# Altium PCB 电磁阀V4.0.PcbDoc (part 2 of 2) (continued)
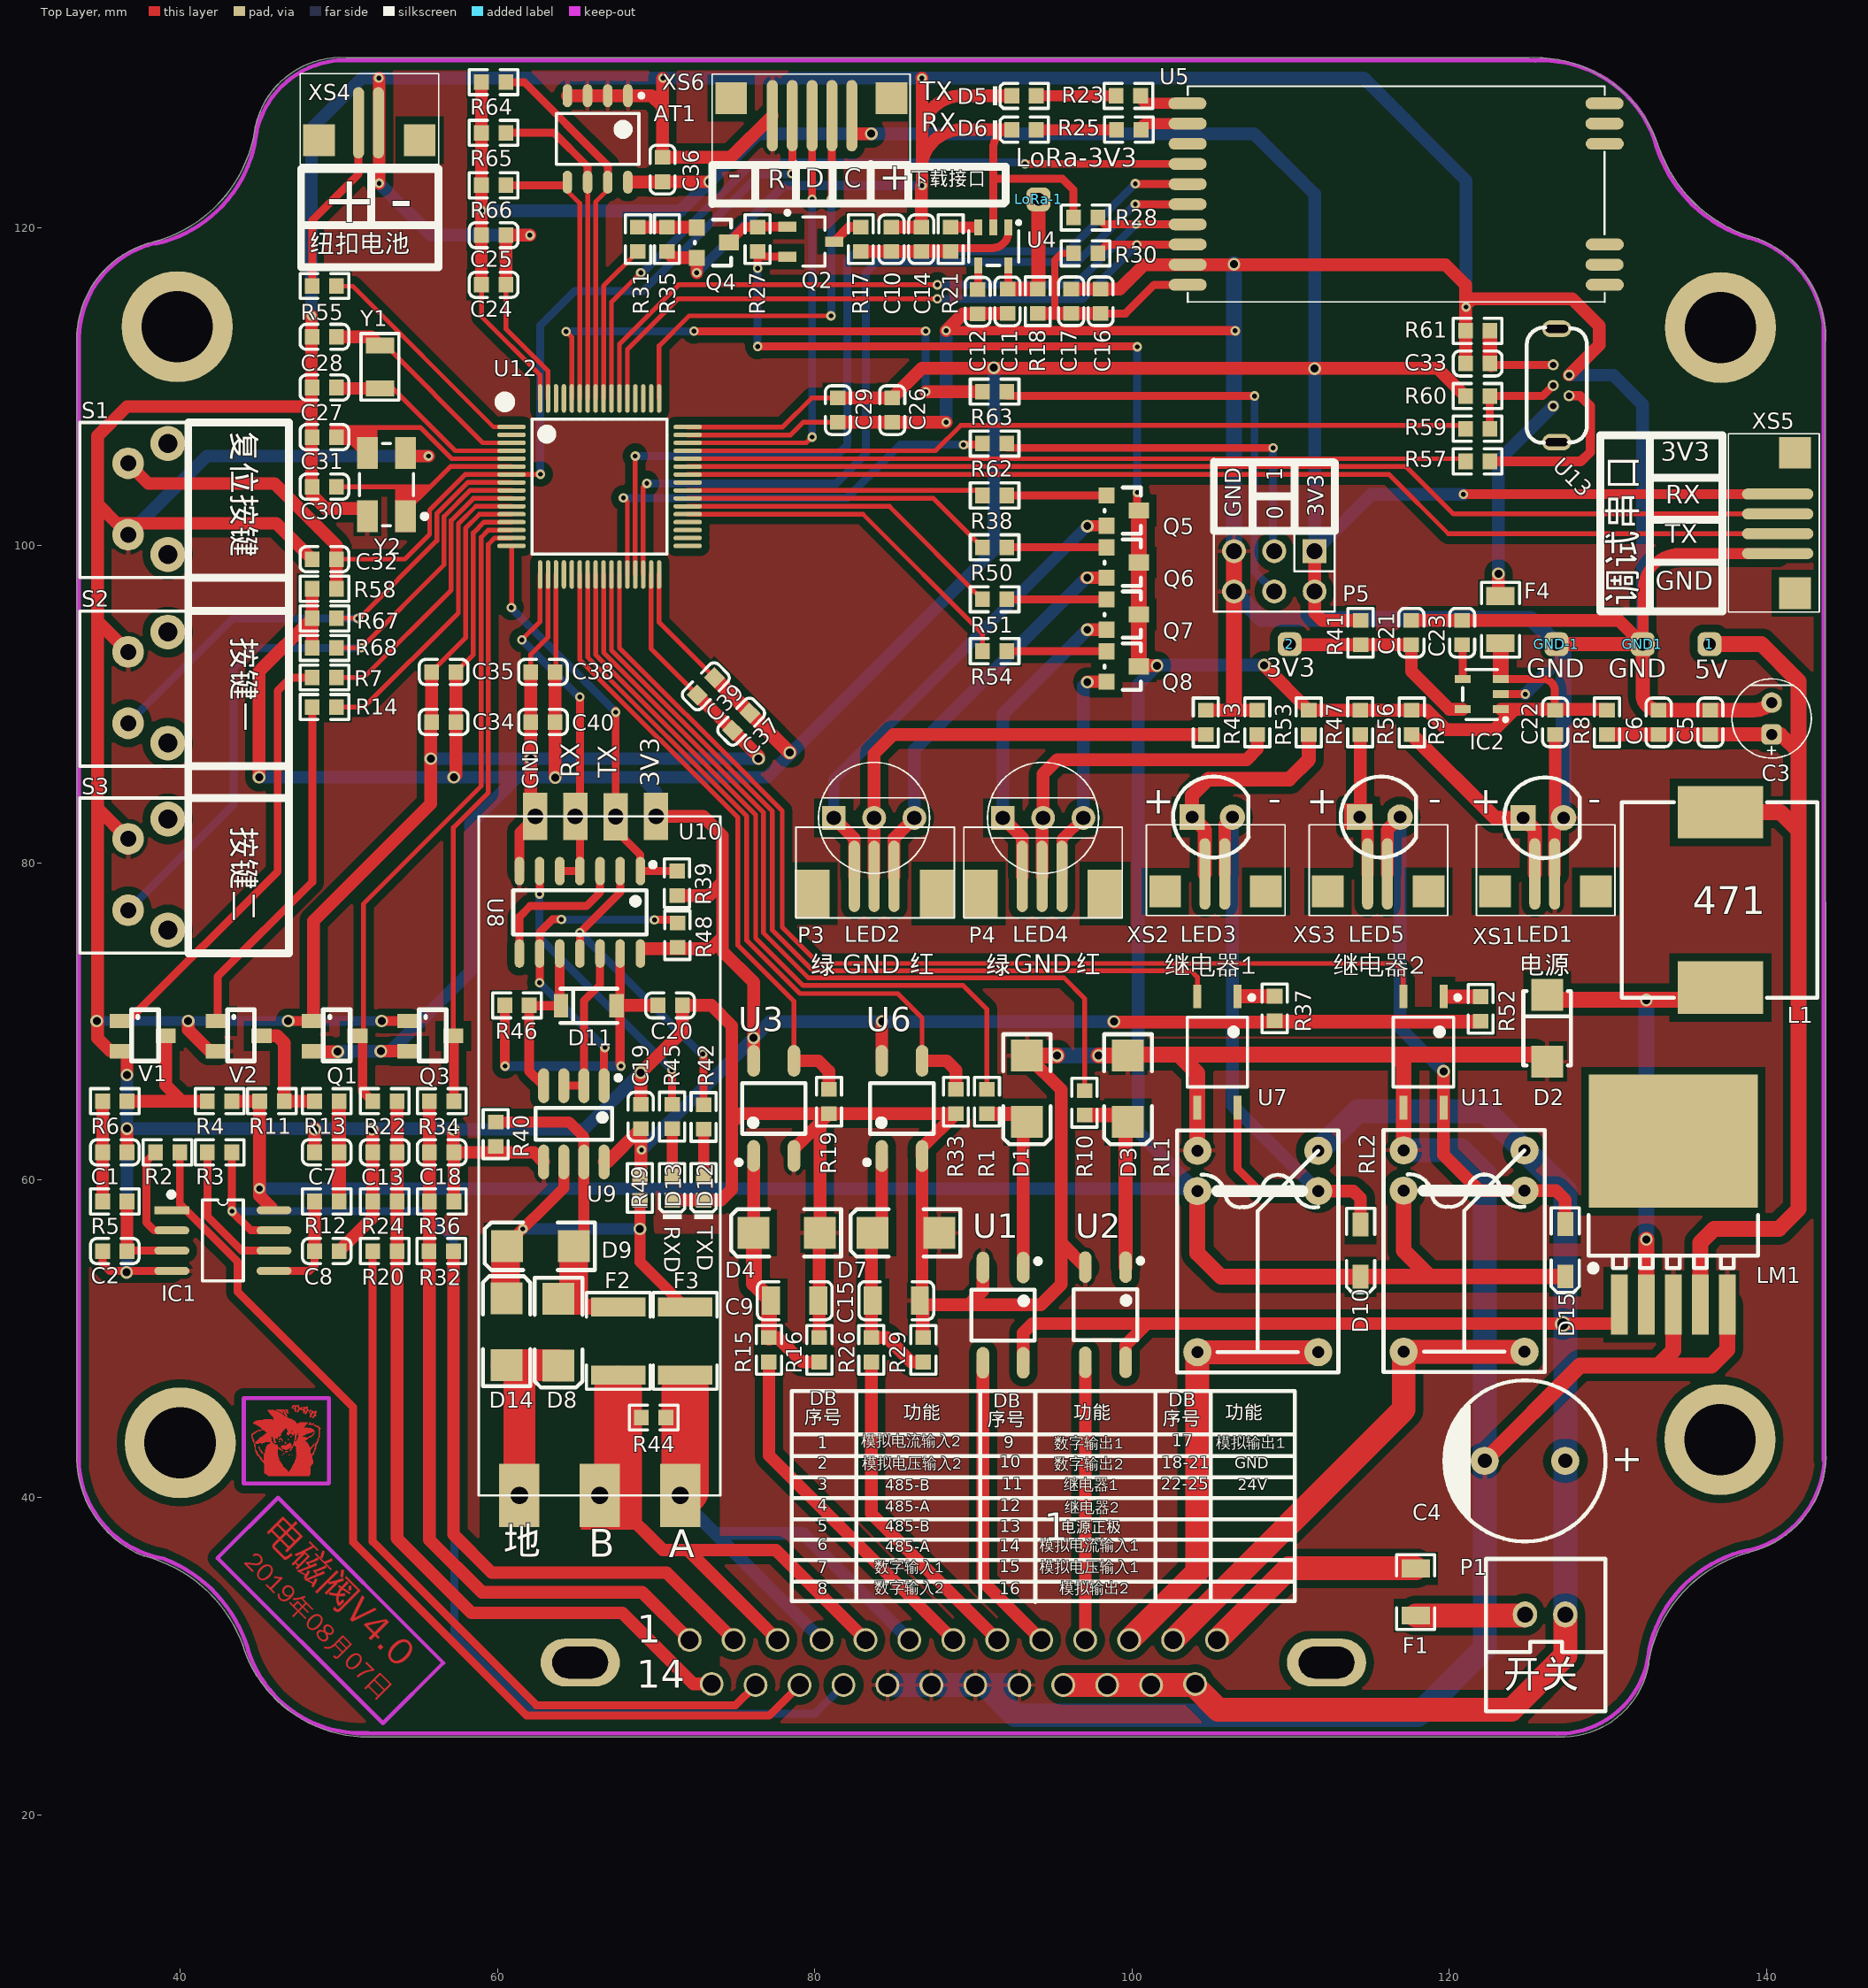
[diagram p0: Top Layer view]
## Nets (pads, with @x,y where several pads share a name; then routed paths per layer and width w, separated by ;. In a path a pad name is that pad's centre, name@x,y a point inside that pad or via, vN(x,y) a via of type N, cw(c..) or ccw(c..) an arc to the next point about the centre after c; other vN are vias at no path point) (continued)
  Top Layer w0.025: 44.514,43.764 44.565,43.764 ; 44.514,43.79 44.565,43.79 ; 44.514,43.815 44.565,43.815 ; 44.514,43.84 44.565,43.84 ; 44.514,43.866 44.565,43.866 ; 44.514,43.891 44.565,43.891 ; 44.514,43.917 44.565,43.917 ; 44.514,43.942 44.565,43.942 ; 44.514,43.967 44.59,43.967 ; 44.514,43.993 44.615,43.993 ; 44.539,43.739 44.59,43.739 ; 44.539,44.018 44.666,44.018 ; 44.565,43.612 44.666,43.612 ; 44.565,43.637 44.641,43.637 ; 44.565,43.663 44.615,43.663 ; 44.565,43.688 44.615,43.688 ; 44.565,43.713 44.615,43.713 ; 44.59,43.586 44.666,43.586 ; 44.615,43.459 44.666,43.459 ; 44.615,43.485 44.666,43.485 ; 44.615,43.51 44.666,43.51 ; 44.615,43.536 44.666,43.536 ; 44.615,43.561 44.666,43.561 ; 44.615,44.044 44.717,44.044 ; 44.615,44.679 47.333,44.679 ; 44.615,44.704 47.333,44.704 ; 44.641,44.069 44.742,44.069 ; 44.641,44.653 47.333,44.653 ; 44.641,44.729 47.333,44.729 ; 44.666,43.231 44.768,43.231 ; 44.666,43.256 44.742,43.256 ; 44.666,43.282 44.717,43.282 ; 44.666,43.307 44.717,43.307 ; 44.666,43.332 44.717,43.332 ; 44.666,43.358 44.717,43.358 ; 44.666,43.383 44.717,43.383 ; 44.666,44.094 44.768,44.094 ; 44.666,44.755 47.282,44.755 ; 44.692,43.205 44.768,43.205 ; 44.692,44.12 44.793,44.12 ; 44.692,44.78 47.257,44.78 ; 44.717,43.028 44.768,43.028 ; 44.717,43.053 44.768,43.053 ; 44.717,43.078 44.768,43.078 ; 44.717,43.104 44.768,43.104 ; 44.717,43.129 44.768,43.129 ; 44.717,43.155 44.768,43.155 ; 44.717,43.18 44.768,43.18 ; 44.717,44.145 44.819,44.145 ; 44.742,43.002 44.793,43.002 ; 44.768,42.875 44.869,42.875 ; 44.768,42.901 44.844,42.901 ; 44.768,42.926 44.819,42.926 ; 44.768,42.951 44.819,42.951 ; 44.768,42.977 44.819,42.977 ; 44.768,43.409 44.946,43.409 ; 44.768,43.434 44.971,43.434 ; 44.768,43.459 45.327,43.459 ; 44.768,43.485 45.352,43.485 ; 44.768,44.602 47.943,44.602 ; 44.768,44.628 47.943,44.628 ; 44.768,44.806 47.232,44.806 ; 44.793,42.85 44.869,42.85 ; 44.793,43.51 45.809,43.51 ; 44.793,44.171 44.895,44.171 ; 44.793,44.831 47.206,44.831 ; 44.819,42.774 44.895,42.774 ; 44.819,42.799 44.895,42.799 ; 44.819,42.824 44.869,42.824 ; 44.819,43.536 45.784,43.536 ; 44.819,44.196 44.895,44.196 ; 44.844,42.723 44.92,42.723 ; 44.844,42.748 44.92,42.748 ; 44.844,43.561 45.758,43.561 ; 44.844,44.577 47.943,44.577 ; 44.869,42.672 44.971,42.672 ; 44.869,42.697 44.946,42.697 ; 44.869,43.586 45.758,43.586 ; 44.869,44.552 47.917,44.552 ; 44.895,42.647 44.996,42.647 ; 44.895,43.612 45.758,43.612 ; 44.895,44.221 45.098,44.221 ; 44.92,42.621 44.996,42.621 ; 44.92,43.637 45.758,43.637 ; 44.92,44.247 45.098,44.247 ; 44.946,42.596 44.996,42.596 ; 44.946,43.129 44.996,43.129 ; 44.946,43.155 44.996,43.155 ; 44.946,43.18 44.996,43.18 ; 44.946,43.663 45.758,43.663 ; 44.946,44.526 47.867,44.526 ; 44.946,44.856 47.13,44.856 ; 44.971,43.104 45.022,43.104 ; 44.971,43.688 45.758,43.688 ; 44.971,44.501 47.841,44.501 ; 44.996,42.545 45.098,42.545 ; 44.996,42.57 45.073,42.57 ; 44.996,43.028 45.047,43.028 ; 44.996,43.053 45.047,43.053 ; 44.996,43.078 45.047,43.078 ; 44.996,43.713 45.758,43.713 ; 44.996,44.475 47.816,44.475 ; 45.022,42.52 45.123,42.52 ; 45.022,43.002 45.098,43.002 ; 45.022,43.739 45.733,43.739 ; 45.047,42.469 45.149,42.469 ; 45.047,42.494 45.149,42.494 ; 45.047,42.977 45.098,42.977 ; 45.047,43.764 45.708,43.764 ; 45.073,42.443 45.149,42.443 ; 45.073,42.951 45.123,42.951 ; 45.073,43.79 45.708,43.79 ; 45.073,44.45 47.79,44.45 ; 45.098,42.393 45.2,42.393 ; 45.098,42.418 45.174,42.418 ; 45.098,42.875 45.149,42.875 ; 45.098,42.901 45.149,42.901 ; 45.098,42.926 45.149,42.926 ; 45.098,43.815 45.733,43.815 ; 45.098,44.425 47.765,44.425 ; 45.123,42.367 45.2,42.367 ; 45.123,42.85 45.2,42.85 ; 45.123,43.434 45.2,43.434 ; 45.123,44.399 46.724,44.399 ; 45.149,42.316 45.225,42.316 ; 45.149,42.342 45.2,42.342 ; 45.149,42.824 45.2,42.824 ; 45.149,43.409 45.174,43.409 ; 45.149,44.272 46.571,44.272 ; 45.149,44.298 46.571,44.298 ; 45.149,44.374 46.698,44.374 ; 45.174,42.291 46.292,42.291 ; 45.174,42.799 45.225,42.799 ; 45.174,43.84 45.758,43.84 ; 45.174,44.323 46.622,44.323 ; 45.174,44.348 46.622,44.348 ; 45.2,42.266 46.292,42.266 ; 45.2,42.774 45.225,42.774 ; 45.2,43.866 45.758,43.866 ; 45.225,42.24 46.317,42.24 ; 45.225,43.891 46.139,43.891 ; 45.225,44.882 45.784,44.882 ; 45.25,42.215 46.343,42.215 ; 45.25,43.917 46.139,43.917 ; 45.276,42.139 46.368,42.139 ; 45.276,42.164 46.368,42.164 ; 45.276,42.189 46.368,42.189 ; 45.276,42.316 46.292,42.316 ; 45.276,42.342 46.241,42.342 ; 45.276,42.367 46.241,42.367 ; 45.276,42.393 46.241,42.393 ; 45.276,42.418 46.241,42.418 ; 45.276,42.443 46.241,42.443 ; 45.276,42.469 46.241,42.469 ; 45.276,42.494 46.241,42.494 ; 45.276,42.52 46.216,42.52 ; 45.276,42.545 46.19,42.545 ; 45.276,42.57 46.19,42.57 ; 45.276,42.596 46.19,42.596 ; 45.276,42.697 46.139,42.697 ; 45.276,44.907 45.758,44.907 ; 45.301,42.113 46.393,42.113 ; 45.301,42.621 46.19,42.621 ; 45.301,42.672 46.165,42.672 ; 45.301,42.723 46.139,42.723 ; 45.327,41.554 46.901,41.554 ; 45.327,41.58 48.222,41.58 ; 45.327,41.605 48.222,41.605 ; 45.327,41.631 46.825,41.631 ; 45.327,41.656 46.8,41.656 ; 45.327,41.681 46.774,41.681 ; 45.327,41.707 46.749,41.707 ; 45.327,41.732 46.724,41.732 ; 45.327,41.758 46.698,41.758 ; 45.327,41.783 46.673,41.783 ; 45.327,41.808 46.647,41.808 ; 45.327,41.834 46.622,41.834 ; 45.327,41.859 46.597,41.859 ; 45.327,41.885 46.571,41.885 ; 45.327,41.91 46.546,41.91 ; 45.327,41.935 46.52,41.935 ; 45.327,41.961 46.495,41.961 ; 45.327,41.986 46.47,41.986 ; 45.327,42.012 46.47,42.012 ; 45.327,42.037 46.47,42.037 ; 45.327,42.062 46.444,42.062 ; 45.327,42.088 46.419,42.088 ; 45.327,42.647 46.19,42.647 ; 45.327,42.748 46.139,42.748 ; 45.327,42.774 46.139,42.774 ; 45.327,42.799 46.139,42.799 ; 45.327,43.942 46.368,43.942 ; 45.327,44.247 46.52,44.247 ; 45.352,41.529 46.901,41.529 ; 45.352,43.967 46.368,43.967 ; 45.352,44.221 46.52,44.221 ; 45.377,41.504 48.222,41.504 ; 45.377,42.824 46.139,42.824 ; 45.377,42.85 46.139,42.85 ; 45.377,42.875 46.139,42.875 ; 45.377,42.901 46.139,42.901 ; 45.377,42.926 46.139,42.926 ; 45.377,42.951 46.139,42.951 ; 45.377,42.977 46.139,42.977 ; 45.377,43.002 46.139,43.002 ; 45.377,43.028 46.139,43.028 ; 45.377,43.993 46.343,43.993 ; 45.377,44.196 46.47,44.196 ; 45.403,41.478 48.222,41.478 ; 45.403,43.053 46.139,43.053 ; 45.403,44.018 46.317,44.018 ; 45.403,44.171 46.47,44.171 ; 45.428,43.078 46.139,43.078 ; 45.428,43.104 46.165,43.104 ; 45.428,43.129 46.241,43.129 ; 45.428,43.155 46.216,43.155 ; 45.428,43.18 46.19,43.18 ; 45.428,44.145 46.419,44.145 ; 45.454,43.205 45.962,43.205 ; 45.454,44.12 46.419,44.12 ; 45.479,41.453 48.197,41.453 ; 45.479,43.231 45.962,43.231 ; 45.479,43.256 46.139,43.256 ; 45.479,43.282 46.139,43.282 ; 45.479,44.044 46.343,44.044 ; 45.479,44.069 46.114,44.069 ; 45.479,44.094 46.089,44.094 ; 45.504,41.427 48.171,41.427 ; 45.504,43.307 46.114,43.307 ; 45.53,41.402 48.171,41.402 ; 45.53,43.332 46.089,43.332 ; 45.53,45.466 45.962,45.466 ; 45.53,45.491 45.936,45.491 ; 45.555,41.377 48.171,41.377 ; 45.555,45.441 46.089,45.441 ; 45.581,45.415 46.114,45.415 ; 45.606,43.358 45.962,43.358 ; 45.606,45.39 46.241,45.39 ; 45.631,43.383 45.936,43.383 ; 45.631,45.364 46.266,45.364 ; 45.657,45.339 46.292,45.339 ; 45.682,45.314 46.343,45.314 ; 45.708,43.409 45.86,43.409 ; 45.708,43.434 45.835,43.434 ; 45.708,43.459 45.809,43.459 ; 45.708,43.485 45.809,43.485 ; 45.708,45.263 46.419,45.263 ; 45.708,45.288 46.368,45.288 ; 45.733,45.237 46.419,45.237 ; 45.758,45.187 46.52,45.187 ; 45.758,45.212 46.495,45.212 ; 45.809,43.84 46.139,43.84 ; 45.809,43.866 46.139,43.866 ; 45.809,44.882 47.105,44.882 ; 45.809,45.136 46.571,45.136 ; 45.809,45.161 46.546,45.161 ; 45.835,43.815 46.089,43.815 ; 45.86,43.688 45.987,43.688 ; 45.86,43.713 45.987,43.713 ; 45.86,43.739 45.987,43.739 ; 45.86,43.764 46.012,43.764 ; 45.86,43.79 46.089,43.79 ; 45.86,45.06 46.749,45.06 ; 45.86,45.085 46.622,45.085 ; 45.86,45.11 46.597,45.11 ; 45.885,45.034 46.774,45.034 ; 45.911,43.51 46.038,43.51 ; 45.911,43.536 46.038,43.536 ; 45.911,43.612 45.987,43.612 ; 45.911,43.637 45.987,43.637 ; 45.911,43.663 45.987,43.663 ; 45.911,44.983 46.876,44.983 ; 45.911,45.009 46.851,45.009 ; 45.936,43.485 46.038,43.485 ; 45.936,43.561 46.012,43.561 ; 45.936,43.586 45.987,43.586 ; 45.936,44.907 47.079,44.907 ; 45.936,44.958 47.003,44.958 ; 45.962,43.459 46.038,43.459 ; 45.962,44.933 47.028,44.933 ; 46.038,43.205 46.165,43.205 ; 46.038,43.231 46.139,43.231 ; 46.038,43.764 46.139,43.764 ; 46.063,43.739 46.139,43.739 ; 46.063,45.517 46.393,45.517 ; 46.089,43.713 46.139,43.713 ; 46.139,44.069 46.368,44.069 ; 46.139,44.094 46.368,44.094 ; 46.139,45.491 46.419,45.491 ; 46.165,43.917 46.292,43.917 ; 46.165,45.466 46.419,45.466 ; 46.19,43.104 46.317,43.104 ; 46.19,43.891 46.292,43.891 ; 46.216,43.866 46.292,43.866 ; 46.241,43.078 46.343,43.078 ; 46.241,43.51 46.292,43.51 ; 46.241,43.536 46.266,43.536 ; 46.241,43.637 46.266,43.637 ; 46.241,43.663 46.292,43.663 ; 46.241,43.84 46.292,43.84 ; 46.266,43.053 46.368,43.053 ; 46.266,43.688 46.393,43.688 ; 46.292,43.028 46.368,43.028 ; 46.292,43.713 46.368,43.713 ; 46.292,45.441 46.419,45.441 ; 46.317,45.415 46.444,45.415 ; 46.343,45.39 46.47,45.39 ; 46.368,43.002 46.47,43.002 ; 46.368,43.18 46.952,43.18 ; 46.368,43.205 46.978,43.205 ; 46.368,43.663 46.419,43.663 ; 46.393,42.977 46.47,42.977 ; 46.393,43.155 46.952,43.155 ; 46.393,43.231 47.003,43.231 ; 46.393,43.637 46.444,43.637 ; 46.393,45.364 46.495,45.364 ; 46.419,42.697 46.47,42.697 ; 46.419,42.926 46.47,42.926 ; 46.419,42.951 46.47,42.951 ; 46.419,43.129 46.952,43.129 ; 46.419,43.256 47.003,43.256 ; 46.419,43.282 47.003,43.282 ; 46.419,43.561 46.47,43.561 ; 46.419,43.586 46.47,43.586 ; 46.419,43.612 46.47,43.612 ; 46.419,45.339 46.52,45.339 ; 46.444,43.104 46.876,43.104 ; 46.444,45.517 46.546,45.517 ; 46.444,45.542 46.52,45.542 ; 46.47,43.078 46.851,43.078 ; 46.47,45.491 46.571,45.491 ; 46.495,45.466 46.597,45.466 ; 46.52,42.774 46.571,42.774 ; 46.52,42.799 46.571,42.799 ; 46.52,45.441 46.597,45.441 ; 46.546,45.415 46.622,45.415 ; 46.571,45.288 46.673,45.288 ; 46.571,45.314 46.673,45.314 ; 46.571,45.339 46.647,45.339 ; 46.571,45.364 46.647,45.364 ; 46.571,45.39 46.622,45.39 ; 46.597,43.053 46.774,43.053 ; 46.597,43.434 46.673,43.434 ; 46.597,45.263 46.698,45.263 ; 46.622,42.875 46.8,42.875 ; 46.622,42.901 46.8,42.901 ; 46.622,43.028 46.749,43.028 ; 46.622,43.409 46.673,43.409 ; 46.622,43.459 46.673,43.459 ; 46.622,43.485 46.647,43.485 ; 46.622,45.187 46.724,45.187 ; 46.622,45.212 46.698,45.212 ; 46.622,45.237 46.698,45.237 ; 46.622,45.517 46.8,45.517 ; 46.647,45.085 46.749,45.085 ; 46.647,45.161 46.724,45.161 ; 46.647,45.491 46.8,45.491 ; 46.673,45.11 46.749,45.11 ; 46.673,45.136 46.724,45.136 ; 46.673,45.441 46.8,45.441 ; 46.673,45.466 46.8,45.466 ; 46.698,43.307 47.003,43.307 ; 46.698,45.39 46.8,45.39 ; 46.698,45.415 46.8,45.415 ; 46.724,43.332 47.003,43.332 ; 46.724,43.993 46.901,43.993 ; 46.724,44.018 46.927,44.018 ; 46.724,45.339 46.851,45.339 ; 46.724,45.364 46.825,45.364 ; 46.749,44.044 46.952,44.044 ; 46.749,44.069 48.171,44.069 ; 46.749,44.298 48.375,44.298 ; 46.749,44.323 48.298,44.323 ; 46.749,44.374 47.765,44.374 ; 46.749,44.399 47.74,44.399 ; 46.774,43.967 46.876,43.967 ; 46.774,44.094 48.197,44.094 ; 46.774,44.272 48.375,44.272 ; 46.774,44.348 48.273,44.348 ; 46.8,43.358 47.003,43.358 ; 46.8,43.663 46.851,43.663 ; 46.8,43.942 46.851,43.942 ; 46.8,44.12 47.054,44.12 ; 46.8,44.145 47.028,44.145 ; 46.8,44.171 47.028,44.171 ; 46.8,44.196 47.028,44.196 ; 46.8,44.221 47.028,44.221 ; 46.8,44.247 47.054,44.247 ; 46.825,43.383 46.978,43.383 ; 46.825,43.637 46.851,43.637 ; 46.851,42.697 46.901,42.697 ; 46.901,41.631 48.222,41.631 ; 46.901,41.656 48.222,41.656 ; 46.901,41.681 48.222,41.681 ; 46.901,42.977 46.952,42.977 ; 46.901,43.002 46.978,43.002 ; 46.901,43.409 46.952,43.409 ; 46.901,43.434 46.927,43.434 ; 46.927,41.707 48.222,41.707 ; 46.952,41.529 48.222,41.529 ; 46.952,41.554 48.222,41.554 ; 46.952,41.732 48.222,41.732 ; 46.952,43.028 47.003,43.028 ; 46.952,43.053 47.028,43.053 ; 46.952,43.84 47.003,43.84 ; 46.952,43.866 47.003,43.866 ; 46.978,41.758 48.222,41.758 ; 47.003,41.783 48.222,41.783 ; 47.003,41.808 48.222,41.808 ; 47.003,41.834 48.222,41.834 ; 47.003,43.078 47.054,43.078 ; 47.003,43.104 47.054,43.104 ; 47.003,44.044 47.181,44.044 ; 47.028,41.859 48.222,41.859 ; 47.028,43.129 47.105,43.129 ; 47.028,43.155 47.105,43.155 ; 47.028,44.018 47.181,44.018 ; 47.054,41.885 48.222,41.885 ; 47.054,42.697 47.079,42.697 ; 47.054,43.18 47.105,43.18 ; 47.054,43.993 47.181,43.993 ; 47.054,45.669 47.13,45.669 ; 47.054,45.695 47.13,45.695 ; 47.079,41.91 48.222,41.91 ; 47.079,41.935 48.222,41.935 ; 47.079,41.961 48.044,41.961 ; 47.079,43.205 47.13,43.205 ; 47.079,43.231 47.13,43.231 ; 47.079,43.942 47.13,43.942 ; 47.079,43.967 47.155,43.967 ; 47.079,44.12 48.298,44.12 ; 47.079,44.247 48.451,44.247 ; 47.079,45.644 47.13,45.644 ; 47.079,45.72 47.155,45.72 ; 47.079,45.745 47.359,45.745 ; 47.105,41.986 48.044,41.986 ; 47.105,44.145 48.324,44.145 ; 47.105,44.171 48.451,44.171 ; 47.105,44.196 48.476,44.196 ; 47.105,44.221 48.476,44.221 ; 47.105,45.618 47.13,45.618 ; 47.105,45.771 47.282,45.771 ; 47.13,42.012 48.273,42.012 ; 47.13,42.037 48.273,42.037 ; 47.13,42.062 47.816,42.062 ; 47.13,43.332 48.095,43.332 ; 47.13,43.358 48.044,43.358 ; 47.155,42.088 47.79,42.088 ; 47.155,43.307 48.095,43.307 ; 47.155,43.383 48.044,43.383 ; 47.155,45.796 47.232,45.796 ; 47.181,42.113 47.765,42.113 ; 47.181,42.139 47.74,42.139 ; 47.181,42.164 47.765,42.164 ; 47.181,43.409 48.044,43.409 ; 47.181,43.434 48.019,43.434 ; 47.181,43.459 47.994,43.459 ; 47.181,43.485 47.968,43.485 ; 47.181,43.51 47.943,43.51 ; 47.181,43.612 47.232,43.612 ; 47.181,45.593 47.282,45.593 ; 47.181,45.618 47.282,45.618 ; 47.206,42.189 48.375,42.189 ; 47.206,43.637 47.257,43.637 ; 47.206,45.568 47.282,45.568 ; 47.206,45.644 47.282,45.644 ; 47.232,42.215 47.994,42.215 ; 47.232,42.24 48.375,42.24 ; 47.232,42.266 47.841,42.266 ; 47.232,42.291 48.375,42.291 ; 47.232,42.316 48.375,42.316 ; 47.232,43.282 48.095,43.282 ; 47.232,43.536 47.917,43.536 ; 47.232,43.663 47.282,43.663 ; 47.232,43.688 47.308,43.688 ; 47.232,43.713 47.333,43.713 ; 47.232,43.739 47.333,43.739 ; 47.232,43.764 47.333,43.764 ; 47.232,43.79 47.333,43.79 ; 47.232,43.815 47.333,43.815 ; 47.232,43.84 47.333,43.84 ; 47.232,43.866 47.333,43.866 ; 47.232,43.891 47.333,43.891 ; 47.232,43.917 47.333,43.917 ; 47.232,43.942 47.359,43.942 ; 47.232,43.967 47.384,43.967 ; 47.232,43.993 47.384,43.993 ; 47.232,44.018 47.384,44.018 ; 47.232,44.044 47.384,44.044 ; 47.232,45.441 47.333,45.441 ; 47.232,45.466 47.308,45.466 ; 47.232,45.491 47.282,45.491 ; 47.232,45.517 47.282,45.517 ; 47.232,45.542 47.282,45.542 ; 47.232,45.669 47.282,45.669 ; 47.232,45.695 47.308,45.695 ; 47.232,45.72 47.333,45.72 ; 47.257,42.342 48.375,42.342 ; 47.257,43.256 48.095,43.256 ; 47.257,45.415 47.308,45.415 ; 47.282,42.367 48.375,42.367 ; 47.282,42.393 48.349,42.393 ; 47.282,42.418 48.324,42.418 ; 47.308,42.443 48.324,42.443 ; 47.333,42.469 48.324,42.469 ; 47.333,42.494 48.324,42.494 ; 47.333,42.52 48.324,42.52 ; 47.333,42.545 48.324,42.545 ; 47.333,42.57 48.324,42.57 ; 47.333,42.697 48.273,42.697 ; 47.333,42.723 48.273,42.723 ; 47.333,42.748 48.273,42.748 ; 47.333,42.875 48.222,42.875 ; 47.333,42.901 48.222,42.901 ; 47.333,42.926 48.222,42.926 ; 47.333,42.951 48.222,42.951 ; 47.333,42.977 48.197,42.977 ; 47.333,43.002 48.197,43.002 ; 47.333,43.028 48.222,43.028 ; 47.333,43.053 48.248,43.053 ; 47.333,43.078 48.273,43.078 ; 47.333,43.104 48.298,43.104 ; 47.333,43.129 48.146,43.129 ; 47.333,43.155 48.146,43.155 ; 47.333,43.18 48.146,43.18 ; 47.333,43.205 48.146,43.205 ; 47.333,43.231 48.146,43.231 ; 47.333,43.561 47.892,43.561 ; 47.333,45.771 47.46,45.771 ; 47.359,42.672 48.324,42.672 ; 47.359,42.774 48.248,42.774 ; 47.359,42.85 48.222,42.85 ; 47.359,43.586 47.892,43.586 ; 47.359,45.796 47.486,45.796 ; 47.384,42.596 48.324,42.596 ; 47.384,42.621 48.324,42.621 ; 47.384,42.647 48.324,42.647 ; 47.384,42.799 48.222,42.799 ; 47.384,42.824 48.222,42.824 ; 47.384,43.612 47.892,43.612 ; 47.384,43.637 47.968,43.637 ; 47.384,43.663 47.994,43.663 ; 47.384,45.39 47.435,45.39 ; 47.384,45.415 47.46,45.415 ; 47.384,45.441 47.46,45.441 ; 47.409,43.688 48.019,43.688 ; 47.409,44.653 47.994,44.653 ; 47.409,45.466 47.486,45.466 ; 47.409,45.491 47.486,45.491 ; 47.409,45.517 47.486,45.517 ; 47.409,45.72 47.486,45.72 ; 47.409,45.745 47.46,45.745 ; 47.409,45.822 47.486,45.822 ; 47.435,43.713 48.044,43.713 ; 47.435,43.739 47.968,43.739 ; 47.435,43.764 47.943,43.764 ; 47.435,43.79 47.867,43.79 ; 47.435,43.815 47.841,43.815 ; 47.435,43.942 47.841,43.942 ; 47.435,43.967 47.867,43.967 ; 47.435,44.679 48.019,44.679 ; 47.435,45.542 47.486,45.542 ; 47.435,45.669 47.536,45.669 ; 47.435,45.695 47.511,45.695 ; 47.46,43.84 47.714,43.84 ; 47.46,43.917 47.765,43.917 ; 47.46,43.993 47.943,43.993 ; 47.46,44.044 48.095,44.044 ; 47.46,45.568 47.562,45.568 ; 47.46,45.644 47.562,45.644 ; 47.486,43.866 47.714,43.866 ; 47.486,43.891 47.74,43.891 ; 47.486,44.018 47.968,44.018 ; 47.486,45.593 47.562,45.593 ; 47.486,45.618 47.562,45.618 ; 47.511,44.704 48.044,44.704 ; 47.536,44.729 48.019,44.729 ; 47.613,45.542 47.816,45.542 ; 47.613,45.568 47.714,45.568 ; 47.613,45.593 47.689,45.593 ; 47.613,45.618 47.663,45.618 ; 47.638,45.517 47.816,45.517 ; 47.638,45.644 47.663,45.644 ; 47.663,45.669 47.714,45.669 ; 47.663,45.695 47.689,45.695 ; 47.74,45.491 47.841,45.491 ; 47.74,45.568 47.841,45.568 ; 47.765,45.339 47.816,45.339 ; 47.765,45.364 47.841,45.364 ; 47.765,45.39 47.841,45.39 ; 47.765,45.415 47.867,45.415 ; 47.765,45.441 47.867,45.441 ; 47.765,45.466 47.867,45.466 ; 47.765,45.593 47.867,45.593 ; 47.765,45.669 47.867,45.669 ; 47.765,45.695 47.841,45.695 ; 47.79,45.618 47.943,45.618 ; 47.79,45.644 48.044,45.644 ; 47.816,42.113 47.943,42.113 ; 47.816,42.139 47.968,42.139 ; 47.816,42.164 48.375,42.164 ; 47.816,44.374 48.044,44.374 ; 47.816,44.399 48.019,44.399 ; 47.841,42.062 48.273,42.062 ; 47.841,42.088 48.298,42.088 ; 47.892,42.266 48.375,42.266 ; 47.892,45.288 47.943,45.288 ; 47.892,45.314 47.968,45.314 ; 47.892,45.339 47.994,45.339 ; 47.892,45.669 48.044,45.669 ; 47.917,45.364 47.994,45.364 ; 47.917,45.695 48.044,45.695 ; 47.943,45.39 47.994,45.39 ; 47.943,45.415 48.019,45.415 ; 47.943,45.441 48.044,45.441 ; 47.968,45.466 48.07,45.466 ; 47.994,43.739 48.07,43.739 ; 47.994,43.764 48.095,43.764 ; 47.994,45.491 48.095,45.491 ; 47.994,45.517 48.095,45.517 ; 47.994,45.542 48.095,45.542 ; 47.994,45.568 48.044,45.568 ; 47.994,45.593 48.044,45.593 ; 47.994,45.618 48.044,45.618 ; 47.994,45.72 48.044,45.72 ; 48.019,42.139 48.349,42.139 ; 48.044,42.113 48.324,42.113 ; 48.044,42.215 48.375,42.215 ; 48.095,41.961 48.222,41.961 ; 48.095,41.986 48.248,41.986 ; 48.095,43.79 48.171,43.79 ; 48.095,43.815 48.197,43.815 ; 48.095,44.602 48.375,44.602 ; 48.095,44.628 48.375,44.628 ; 48.121,43.84 48.273,43.84 ; 48.121,45.364 48.197,45.364 ; 48.146,43.866 48.298,43.866 ; 48.146,45.339 48.197,45.339 ; 48.146,45.39 48.197,45.39 ; 48.146,45.415 48.222,45.415 ; 48.146,45.441 48.222,45.441 ; 48.171,44.729 48.248,44.729 ; 48.171,45.466 48.273,45.466 ; 48.197,44.704 48.222,44.704 ; 48.197,45.085 48.273,45.085 ; 48.197,45.11 48.273,45.11 ; 48.197,45.136 48.273,45.136 ; 48.197,45.161 48.273,45.161 ; 48.197,45.491 48.273,45.491 ; 48.222,43.129 48.324,43.129 ; 48.222,45.187 48.273,45.187 ; 48.222,45.212 48.298,45.212 ; 48.222,45.237 48.324,45.237 ; 48.222,45.263 48.324,45.263 ; 48.222,45.288 48.324,45.288 ; 48.248,43.155 48.324,43.155 ; 48.248,45.314 48.349,45.314 ; 48.273,43.18 48.324,43.18 ; 48.273,43.891 48.324,43.891 ; 48.273,45.339 48.425,45.339 ; 48.298,43.917 48.349,43.917 ; 48.298,45.364 48.578,45.364 ; 48.298,45.415 48.4,45.415 ; 48.298,45.441 48.375,45.441 ; 48.324,42.697 48.375,42.697 ; 48.324,42.723 48.4,42.723 ; 48.324,42.748 48.425,42.748 ; 48.324,43.205 48.375,43.205 ; 48.324,43.231 48.375,43.231 ; 48.324,43.942 48.375,43.942 ; 48.324,45.06 48.425,45.06 ; 48.324,45.39 48.603,45.39 ; 48.349,42.774 48.425,42.774 ; 48.349,43.256 48.4,43.256 ; 48.349,43.967 48.4,43.967 ; 48.349,45.034 48.4,45.034 ; 48.349,45.085 48.451,45.085 ; 48.375,42.799 48.425,42.799 ; 48.375,42.824 48.451,42.824 ; 48.375,42.85 48.476,42.85 ; 48.375,43.282 48.425,43.282 ; 48.375,43.307 48.425,43.307 ; 48.375,43.332 48.425,43.332 ; 48.375,43.993 48.425,43.993 ; 48.375,44.653 48.425,44.653 ; 48.375,44.679 48.425,44.679 ; 48.375,45.11 48.476,45.11 ; 48.4,42.875 48.476,42.875 ; 48.4,44.018 48.451,44.018 ; 48.4,45.136 48.552,45.136 ; 48.425,42.901 48.476,42.901 ; 48.425,42.926 48.476,42.926 ; 48.425,42.951 48.476,42.951 ; 48.425,43.358 48.476,43.358 ; 48.425,43.383 48.476,43.383 ; 48.425,44.044 48.476,44.044 ; 48.425,44.069 48.476,44.069 ; 48.425,44.094 48.476,44.094 ; 48.425,44.552 48.552,44.552 ; 48.425,44.577 48.502,44.577 ; 48.425,45.161 48.578,45.161 ; 48.451,45.187 48.578,45.187 ; 48.476,42.977 48.527,42.977 ; 48.476,43.002 48.527,43.002 ; 48.476,43.028 48.527,43.028 ; 48.476,43.053 48.527,43.053 ; 48.476,43.078 48.552,43.078 ; 48.476,45.212 48.552,45.212 ; 48.476,45.237 48.552,45.237 ; 48.476,45.263 48.552,45.263 ; 48.476,45.288 48.552,45.288 ; 48.502,43.104 48.578,43.104 ; 48.502,43.129 48.578,43.129 ; 48.502,43.231 48.578,43.231 ; 48.502,43.256 48.578,43.256 ; 48.502,45.314 48.552,45.314 ; 48.502,45.339 48.578,45.339 ; 48.502,45.415 48.603,45.415 ; 48.527,43.155 48.578,43.155 ; 48.527,43.18 48.578,43.18 ; 48.527,43.205 48.578,43.205 ; 48.527,43.282 48.578,43.282 ; 48.527,43.307 48.603,43.307 ; 48.527,43.332 48.603,43.332 ; 48.527,43.358 48.603,43.358 ; 48.527,43.383 48.629,43.383 ; 48.527,44.501 48.705,44.501 ; 48.527,44.526 48.603,44.526 ; 48.527,45.441 48.603,45.441 ; 48.552,43.409 48.654,43.409 ; 48.578,43.434 48.654,43.434 ; 48.603,43.459 48.654,43.459 ; 48.603,43.485 48.679,43.485 ; 48.603,43.51 48.705,43.51 ; 48.603,44.475 48.756,44.475 ; 48.629,43.536 48.705,43.536 ; 48.629,44.45 48.781,44.45 ; 48.654,43.561 48.705,43.561 ; 48.654,43.586 48.705,43.586 ; 48.654,43.612 48.705,43.612 ; 48.654,43.637 48.73,43.637 ; 48.654,43.663 48.756,43.663 ; 48.679,43.688 48.756,43.688 ; 48.705,43.713 48.756,43.713 ; 48.705,43.739 48.756,43.739 ; 48.705,43.764 48.756,43.764 ; 48.705,43.79 48.781,43.79 ; 48.705,43.815 48.806,43.815 ; 48.705,44.425 48.806,44.425 ; 48.73,44.399 48.806,44.399 ; 48.756,43.84 48.806,43.84 ; 48.756,43.866 48.806,43.866 ; 48.756,43.891 48.806,43.891 ; 48.756,43.917 48.806,43.917 ; 48.756,43.942 48.806,43.942 ; 48.756,43.967 48.806,43.967 ; 48.756,43.993 48.806,43.993 ; 48.756,44.018 48.806,44.018 ; 48.756,44.044 48.806,44.044 ; 48.756,44.069 48.806,44.069 ; 48.756,44.094 48.806,44.094 ; 48.756,44.12 48.806,44.12 ; 48.756,44.145 48.806,44.145 ; 48.756,44.171 48.806,44.171 ; 48.756,44.196 48.806,44.196 ; 48.756,44.221 48.806,44.221 ; 48.756,44.247 48.806,44.247 ; 48.756,44.272 48.806,44.272 ; 48.756,44.298 48.832,44.298 ; 48.756,44.323 48.832,44.323 ; 48.756,44.348 48.857,44.348 ; 48.756,44.374 48.806,44.374

## Polygon pours and split planes (outlines as drawn)
GND on Top Layer "Top Layer-GND" (solid, remove dead copper, pour order 2): 33.63,130.759 143.713,130.759 143.713,25.019 74.041,25.019 74.041,56.642 58.877,56.642 58.877,24.917 33.706,24.917 33.706,24.79
GND on Bottom Layer "Bottom Layer-GND" (solid, remove dead copper, pour order 4): 33.858,130.658 143.789,130.658 143.789,25.019 73.99,25.019 73.99,56.693 58.801,56.693 58.801,24.968 32.614,24.968 32.614,25.121

## Keep-outs
Keep-Out Layer:
  lines w0.254: 33.63,113.132 cw(c39.855,112.994) 38.831,119.136 ; 33.63,113.513 33.63,41.91 ccw(c40.049,42.5) 38.976,36.144 ; 38.507,119.029 ccw(c36.69,127.022) 44.704,125.298 cw(c50.444,124.841) 50.902,130.581 ; 39.035,36.1 cw(c35.877,27.927) 44.381,30.037 ; 44.29,30.342 ccw(c51.435,32.639) 51.867,25.146 ; 49.911,130.581 126.213,130.581 ; 51.079,25.121 127.381,25.121 ; 125.425,130.556 cw(c125.857,123.063) 133.002,125.36 ; 126.39,25.121 ccw(c126.848,30.861) 132.588,30.404 cw(c140.602,28.68) 138.785,36.673 ; 132.911,125.665 ccw(c141.415,127.775) 138.807,119.41 ; 138.461,36.566 ccw(c137.437,42.708) 143.662,42.57 ; 138.488,119.506 cw(c137.173,113.195) 143.612,112.878 ; 143.586,42.316 143.586,113.792 ; 42.368,36.173 46.176,39.981 46.643,39.514 56.593,29.564 52.785,25.756 42.368,36.173 ; 44.018,40.869 49.352,40.869 49.378,40.894 49.378,41.783 49.378,46.253 44.018,46.253 44.018,40.869

## Other copper
Top Layer:
  rectangle net NetC31_1: 49.428,106.324 52.451,107.569
  rectangle net NetC30_1: 53.543,100.838 54.813,103.607
  rectangle net NetC30_1: 54.661,103.327 55.448,103.734
  rectangle net NetC30_1: 54.661,103.149 55.22,103.429
  rectangle net NetC30_1: 54.661,102.924 55.042,103.327
  rectangle net NetLED5_1: 113.36,82.093 115.164,83.744
  rectangle net B: 65.253,37.973 69.113,42.088
  text "电磁阀V4.0" at 44.811,37.359 h3 r315
  text "2019年08月07日" at 43.697,35.599 h2 r315

## Silkscreen, mask and mechanical layers (free items; w line width, h text height)
Top Overlay:
  lines w0.254: 78.562,37.338 110.231,37.338 ; 78.562,41.275 110.206,41.275 ; 78.562,43.967 110.256,43.967 ; 78.588,36.043 110.231,36.043 ; 78.588,39.954 110.206,39.954 ; 78.613,42.596 110.256,42.596 ; 78.638,34.671 110.231,34.671 ; 78.664,38.608 110.231,38.608 ; 82.63,33.532 82.63,46.66 ; 90.424,33.456 90.424,46.533 ; 93.904,33.401 93.904,46.584 ; 101.473,33.506 101.473,46.584 ; 104.953,33.452 104.953,46.634 ; 122.298,26.518 122.298,30.244 ; 122.377,26.518 129.842,26.518 129.842,30.244 ; 78.562,33.452 110.256,33.452 110.256,38.705 110.256,46.711 78.562,46.711 78.562,33.477 78.562,33.452
  lines w0.5: 40.518,84.085 46.675,84.085 ; 40.518,86.091 46.747,86.091 ; 40.518,95.87 46.62,95.87 ; 40.518,97.978 46.649,97.978 ; 46.852,74.306 40.518,74.306 40.518,107.757 46.874,107.757 46.874,74.284 ; 47.676,120.193 51.968,120.193 ; 52.045,123.722 52.045,120.193 56.032,120.193 ; 76.251,121.717 76.251,123.952 ; 78.816,121.742 78.816,124.003 ; 81.128,121.717 81.128,123.977 ; 83.541,121.691 83.541,124.028 ; 107.59,100.965 107.59,105.086 ; 107.721,103.099 110.16,103.099 ; 110.236,100.914 110.236,105.131 ; 132.639,96.164 132.639,106.858 ; 132.715,98.958 137.007,98.93 ; 132.74,104.267 137.16,104.267 ; 132.842,101.625 137.185,101.625 ; 85.903,121.564 73.561,121.564 73.536,121.539 73.536,123.994 85.903,123.994 85.903,123.878 ; 85.903,121.564 85.903,123.878 ; 85.903,121.564 91.923,121.564 92.026,121.668 92.026,123.878 85.903,123.878 ; 47.63,117.551 56.286,117.551 56.286,123.722 47.63,123.722 47.63,117.551 ; 105.156,100.914 105.156,105.283 105.181,105.258 112.7,105.258 112.776,105.181 112.776,100.914 105.156,100.914 ; 129.515,95.86 129.515,106.949 137.211,106.949 137.211,95.86 129.515,95.86
  text "TX" at 86.639,127.686 h2
  text "RX" at 86.716,125.705 h2
  text "LoRa-3V3" at 92.659,123.495 h2
  text "下载接口" at 86.019,122.377 h1.5
  text "D" at 79.4,122.199 h2
  text "C" at 81.839,122.199 h2
  text "R" at 77.038,122.123 h2
  text "-" at 74.498,122.072 h3
  text "+" at 84.049,121.818 h3
  text "-" at 53.213,120.421 h3
  text "+" at 48.971,120.371 h3
  text "纽扣电池" at 48.158,118.085 h2
  text "复位按键" at 42.824,107.264 h2.5 r270
  text "3V3" at 133.325,104.959 h2
  text "1" at 109.474,104.064 h1 r90
  text "RX" at 133.629,102.26 h2
  text "3V3" at 112.065,101.803 h1 r90
  text "GND" at 106.858,101.778 h1 r90
  text "0" at 109.499,101.625 h1 r90
  text "TX" at 133.604,99.771 h2
  text "GND" at 132.994,96.799 h2
  text "调试串口" at 132.334,96.164 h3 r90
  text "按键一" at 42.824,94.209 h2.5 r270
  text "3V3" at 108.458,91.338 h2
  text "GND" at 124.866,91.288 h2
  text "GND" at 130.023,91.288 h2
  text "5V" at 135.458,91.237 h2
  text "RX" at 65.557,85.344 h2 r90
  text "TX" at 67.894,85.344 h2 r90
  text "3V3" at 70.587,84.785 h2 r90
  text "GND" at 62.916,84.633 h1.7 r90
  text "-" at 108.56,82.677 h3
  text "-" at 118.643,82.677 h3
  text "-" at 128.727,82.677 h3
  text "+" at 100.66,82.499 h3
  text "+" at 110.985,82.499 h3
  text "+" at 121.31,82.499 h3
  text "按键二" at 42.824,82.296 h2.5 r270
  text "红" at 85.978,72.663 h2
  text "GND" at 92.558,72.669 h2
  text "红" at 96.444,72.663 h2
  text "GND" at 81.763,72.644 h2
  text "绿" at 79.731,72.619 h2
  text "绿" at 90.78,72.619 h2
  text "继电器1" at 102.083,72.619 h2
  text "继电器2" at 112.725,72.619 h2
  text "电源" at 124.435,72.619 h2
  text "RXD" at 70.509,57.093 h1 r270
  text "TXD" at 72.592,57.093 h1 r270
  text "DB" at 79.68,45.491 h1.5
  text "DB" at 102.286,45.415 h1.5
  text "DB" at 91.237,45.364 h1.5
  text "功能" at 85.547,44.628 h1.5
  text "功能" at 96.291,44.628 h1.5
  text "功能" at 105.842,44.628 h1.5
  text "序号" at 79.324,44.323 h1.5
  text "序号" at 101.93,44.247 h1.5
  text "序号" at 90.881,44.196 h1.5
  text "模拟电流输入2" at 82.931,42.951 h1.2
  text "17" at 102.519,42.951 h1.3
  text "9" at 91.923,42.85 h1.3
  text "模拟输出1" at 105.308,42.85 h1.2
  text "1" at 80.162,42.824 h1.3
  text "数字输出1" at 95.098,42.824 h1.2
  text "10" at 91.66,41.631 h1.3
  text "18-21" at 101.854,41.58 h1.3
  text "GND" at 106.477,41.58 h1.2
  text "2" at 80.162,41.529 h1.3
  text "模拟电压输入2" at 82.982,41.529 h1.2
  text "数字输出2" at 95.098,41.504 h1.2
  text "11" at 91.792,40.227 h1.3
  text "22-25" at 101.803,40.234 h1.3
  text "3" at 80.162,40.208 h1.3
  text "继电器1" at 95.707,40.208 h1.2
  text "24V" at 106.655,40.208 h1.2
  text "485-B" at 84.43,40.183 h1.2
  text "4" at 80.162,38.887 h1.3
  text "12" at 91.661,38.862 h1.3
  text "485-A" at 84.43,38.837 h1.2
  text "继电器2" at 95.758,38.786 h1.2
  text "5" at 80.162,37.592 h1.3
  text "485-B" at 84.43,37.592 h1.2
  text "13" at 91.653,37.567 h1.3
  text "电源正极" at 95.529,37.541 h1.2
  text "1" at 94.437,36.678 h3
  text "6" at 80.162,36.398 h1.3
  text "模拟电流输入1" at 94.158,36.391 h1.2
  text "14" at 91.629,36.322 h1.3
  text "485-A" at 84.43,36.297 h1.2
  text "地" at 60.376,35.814 h3
  text "B" at 65.761,35.662 h3
  text "A" at 70.815,35.636 h3
  text "数字输入1" at 83.769,35.027 h1.2
  text "15" at 91.637,35.027 h1.3
  text "模拟电压输入1" at 94.158,35.027 h1.2
  text "7" at 80.162,34.976 h1.3
  text "数字输入2" at 83.769,33.706 h1.2
  text "模拟输出2" at 95.428,33.68 h1.2
  text "8" at 80.162,33.63 h1.3
  text "16" at 91.643,33.63 h1.3
  text "1" at 68.783,30.251 h3
  text "开关" at 123.393,27.432 h3
  text "14" at 68.758,27.407 h3
Bottom Overlay:
  lines w0.254: 73.99,37.897 105.659,37.897 ; 73.99,41.834 105.634,41.834 ; 73.99,44.526 105.684,44.526 ; 74.016,36.601 105.659,36.601 ; 74.016,40.513 105.634,40.513 ; 74.041,43.155 105.684,43.155 ; 74.066,35.23 105.659,35.23 ; 74.092,39.167 105.659,39.167 ; 79.76,34.04 79.76,47.168 ; 83.668,33.964 83.668,47.041 ; 91.034,33.909 91.034,47.092 ; 94.488,34.065 94.488,47.142 ; 102.083,33.96 102.083,47.142 ; 73.99,34.011 73.99,34.036 73.99,47.269 105.684,47.269 105.684,39.263 105.684,34.011 73.99,34.011
  text "DB" at 104.927,46.152 h1.5
  text "DB" at 82.677,46.025 h1.5
  text "DB" at 93.675,45.898 h1.5
  text "功能" at 88.138,45.263 h1.5
  text "功能" at 99.72,45.212 h1.5
  text "功能" at 77.902,45.161 h1.5
  text "序号" at 105.359,44.907 h1.5
  text "序号" at 83.007,44.78 h1.5
  text "序号" at 94.056,44.729 h1.5
  text "1" at 104.089,43.51 h1.3
  text "模拟输出1" at 79.299,43.459 h1.2
  text "9" at 92.913,43.383 h1.3
  text "17" at 82.398,43.358 h1.3
  text "模拟电流输入2" at 101.803,43.332 h1.2
  text "数字输出1" at 89.738,43.307 h1.2
  text "2" at 104.089,42.164 h1.3
  text "10" at 93.249,42.139 h1.3
  text "GND" at 77.902,42.088 h1.2
  text "18-21" at 83.185,42.062 h1.3
  text "数字输出2" at 89.738,41.986 h1.2
  text "模拟电压输入2" at 101.803,41.986 h1.2
  text "3" at 104.089,40.843 h1.3
  text "24V" at 77.673,40.786 h1.2
  text "22-25" at 83.21,40.792 h1.3
  text "11" at 93.116,40.735 h1.3
  text "继电器1" at 89.433,40.691 h1.2
  text "485-B" at 99.949,40.691 h1.2
  text "4" at 104.14,39.522 h1.3
  text "12" at 93.247,39.37 h1.3
  text "485-A" at 99.949,39.345 h1.2
  text "继电器2" at 89.383,39.319 h1.2
  text "5" at 104.089,38.176 h1.3
  text "485-B" at 99.949,38.1 h1.2
  text "13" at 93.256,38.075 h1.3
  text "电源正极" at 89.535,38.024 h1.2
  text "6" at 104.089,36.906 h1.3
  text "模拟电流输入1" at 90.805,36.855 h1.2
  text "14" at 93.28,36.83 h1.3
  text "485-A" at 99.949,36.805 h1.2
  text "15" at 93.271,35.535 h1.3
  text "7" at 104.089,35.535 h1.3
  text "模拟电压输入1" at 90.805,35.458 h1.2
  text "数字输入1" at 100.559,35.458 h1.2
  text "8" at 104.089,34.265 h1.3
  text "模拟输出2" at 89.764,34.138 h1.2
  text "16" at 93.265,34.138 h1.3
  text "数字输入2" at 100.559,34.138 h1.2
Top Solder:
  region: 42.368,36.173 52.785,25.756 56.593,29.564 46.176,39.981
  rectangle: 44.018,40.869 49.352,46.253
Mechanical 1:
  lines w0.254: 37.748,36.421 cw(c40.209,42.529) 33.63,42.799 33.63,113.36 cw(c39.789,113.017) 38.389,119.025 ccw(c36.137,127.542) 44.871,126.398 ; 37.775,36.425 cw(c35.484,27.559) 44.145,30.531 ; 44.12,30.556 ccw(c51.854,33.185) 52.206,25.024 ; 44.825,126.145 cw(c50.165,125.222) 50.47,130.632 125.833,130.632 ; 51.459,25.019 126.822,25.019 ; 124.986,130.632 cw(c125.337,122.47) 133.072,125.099 ccw(c141.733,128.071) 139.442,119.205 cw(c136.981,113.097) 143.561,112.827 ; 126.791,25.028 ccw(c127.096,30.438) 132.436,29.515 ; 132.379,29.28 cw(c141.114,28.136) 138.862,36.652 ; 138.827,36.651 ccw(c137.427,42.659) 143.586,42.316 143.561,112.852

## Text inside footprints (layer, text, board x,y; h text height)
C4: Top Overlay "+" at 130.2,41.639 h1.75
L1: Top Overlay "471" at 135.331,76.175 h3
P2: Bottom Overlay "14" at 71.358,27.84 h1; Bottom Overlay "1" at 69.654,30.633 h1